# Altium PCB S6D01D4NucleoExtensionBoard1_values.PcbDoc (continued)
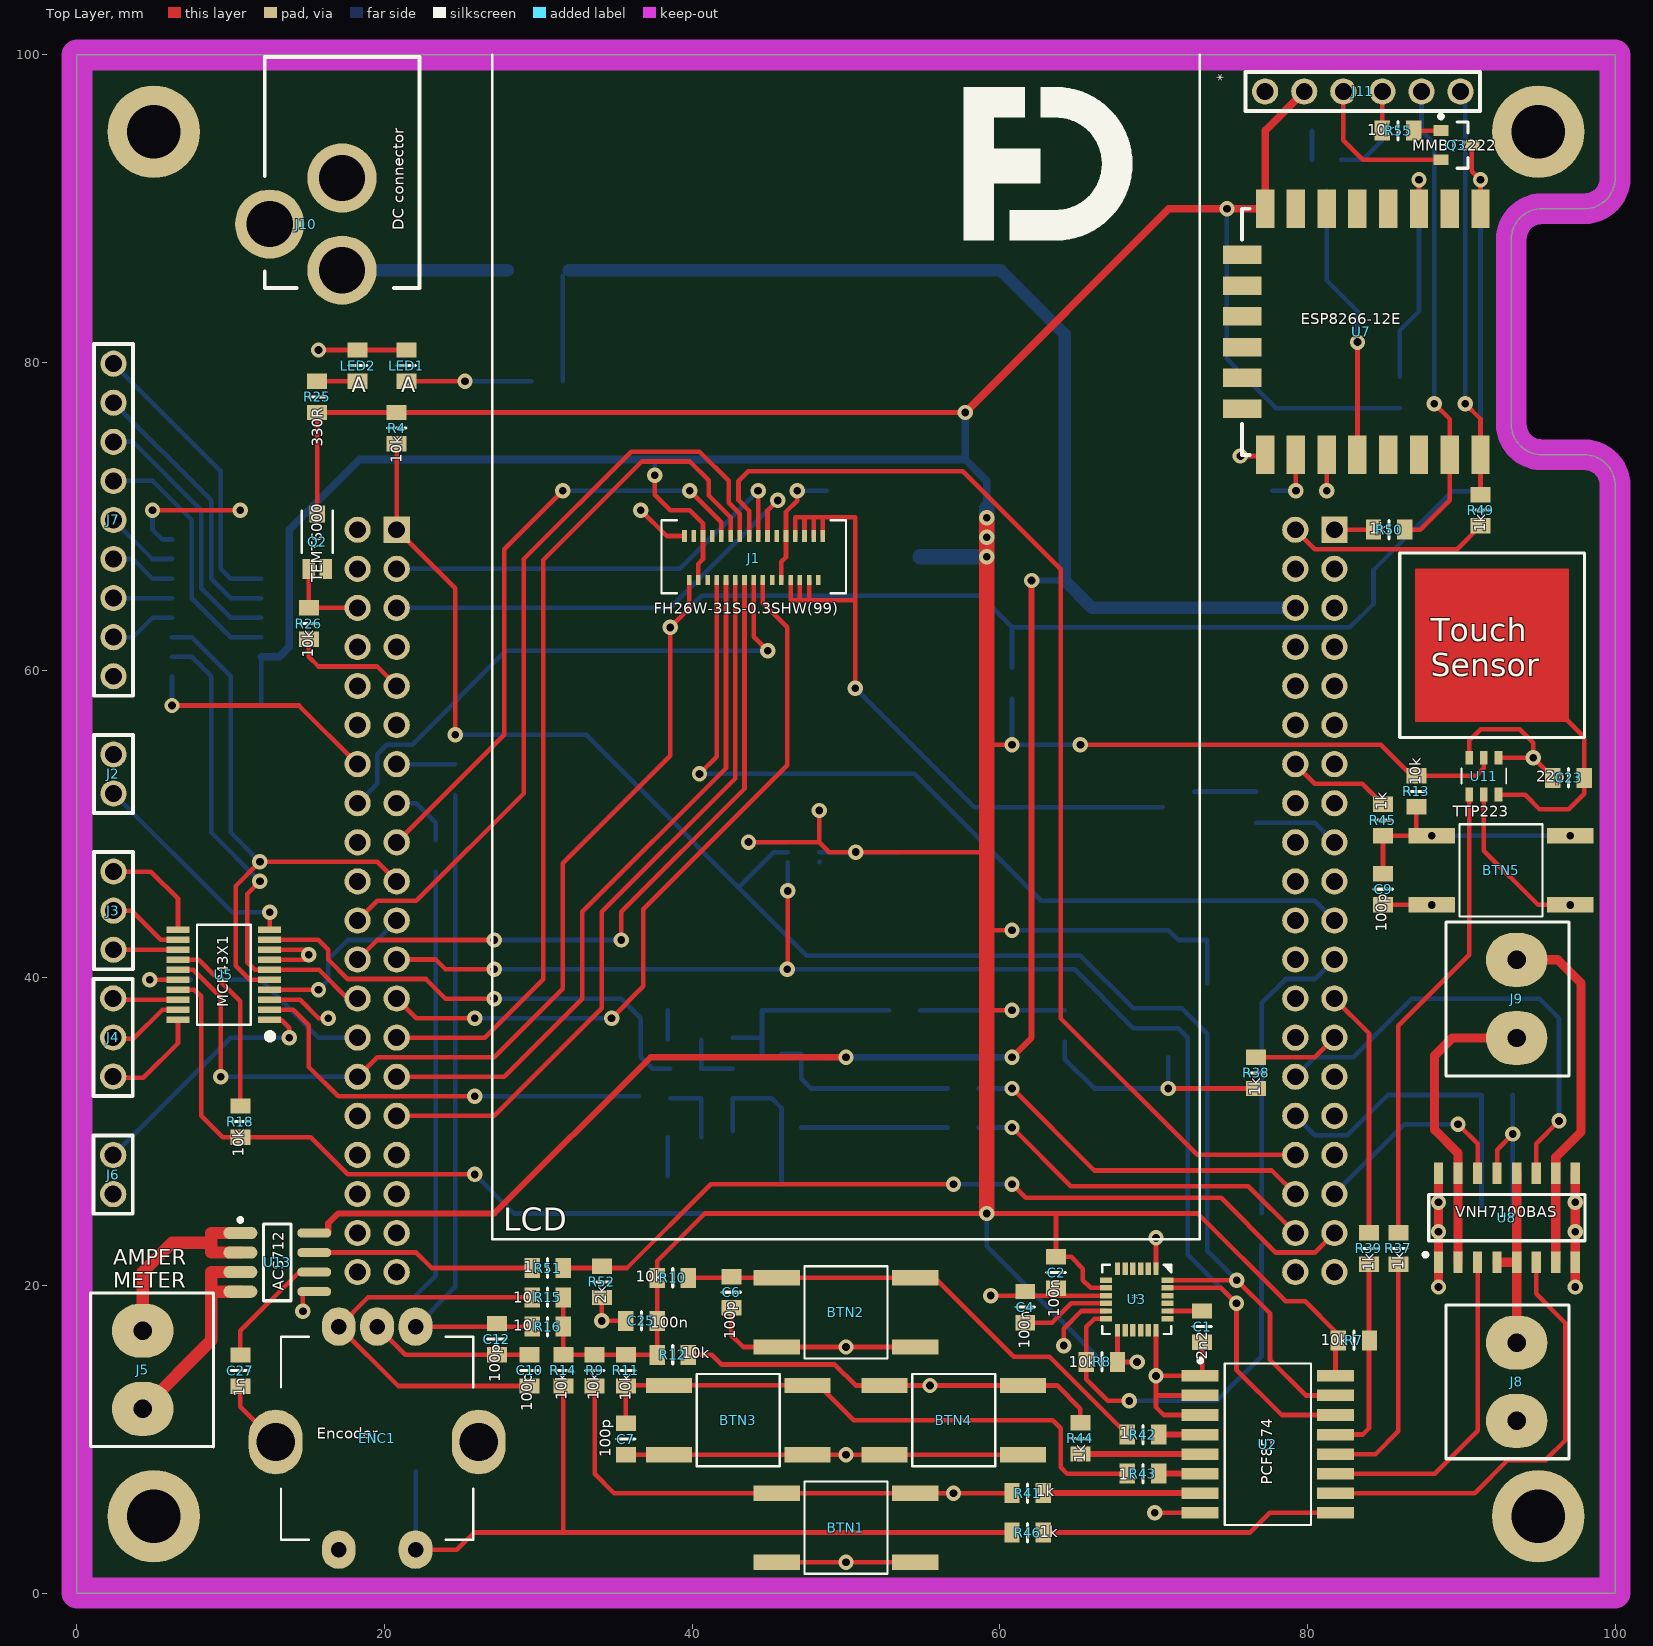
[diagram p0: Top Layer view]
## Footprints (in the part's own frame and the unit in brackets; to place one, negate y for a bottom-side part, rotate by r counter-clockwise, add the part's x,y. Pads: shape width x height; smd on the part's side, far side on the other; paste and mask are expansions set on the pad) (continued)
SMA [mm] "SMA DO-214AC diode"
  rect 1.8x1.8 smd: 1(-2.1,0) 2(2.1,0)
  silkscreen extent -3.4,-1.5 3.4,1.5, body extent -2.6,-1.3 2.6,1.3, height 2.42
SO8#1 [mm] "SOIC, 8-Leads, Body 4.9x3.9mm, Pitch 1.27mm, IPC Medium Density"
  oval 2.2x0.6 smd: 1(0,0) 2(0,-1.27) 3(0,-2.54) 4(0,-3.81) 5(4.8,-3.81) 6(4.8,-2.54) 7(4.8,-1.27) 8(4.8,0)
  silkscreen extent -0.12,-4.41 3.3,0.98, body extent -0.6,-4.35 5.4,0.55, height 1.7
SO8#2 [mm] "SOIC, 8-Leads, Body 4.9x3.9mm, Pitch 1.27mm, IPC Medium Density"
  oval 2.2x0.8 smd: 1(0,0) 2(0,-1.27) 3(0,-2.54) 4(0,-3.81)
  oval 2.2x0.6 smd: 5(4.8,-3.81) 6(4.8,-2.54) 7(4.8,-1.27) 8(4.8,0)
  silkscreen extent -0.12,-4.41 3.3,0.97, body extent -0.6,-4.35 5.4,0.55, height 1.7
SO16N [mm]
  rect 1.4x0.6 smd: 1(-2.9,4.445) 2(-2.9,3.175) 3(-2.9,1.905) 4(-2.9,0.635) 5(-2.9,-0.635) 6(-2.9,-1.905) 7(-2.9,-3.175) 8(-2.9,-4.445) 9(2.9,-4.445) 10(2.9,-3.175) 11(2.9,-1.905) 12(2.9,-0.635) 13(2.9,0.635) 14(2.9,1.905) 15(2.9,3.175) 16(2.9,4.445)
  silkscreen extent -2.52,-5.08 1.5,5.42, body extent -3.07,-4.98 3.07,4.99, height 1.75
SO16W [mm]
  rect 2.4x0.75 smd: 1(-4.4,4.445) 2(-4.4,3.175) 3(-4.4,1.905) 4(-4.4,0.635) 5(-4.4,-0.635) 6(-4.4,-1.905) 7(-4.4,-3.175) 8(-4.4,-4.445) 9(4.4,-4.445) 10(4.4,-3.175) 11(4.4,-1.905) 12(4.4,-0.635) 13(4.4,0.635) 14(4.4,1.905) 15(4.4,3.175) 16(4.4,4.445)
  silkscreen extent -4.52,-5.25 2.8,5.57, body extent -5.15,-5.1 5.15,5.1, height 3.5
SOD-232F [mm] "SOD-323F packed diode"
  rect 0.6x0.5 smd: 1(-1.1,0) 2(1.1,0)
  silkscreen extent -1.75,-0.75 1.75,0.75, body extent -1.25,-0.68 1.25,0.67, height 1
SOT23 [mm]
  rect 0.7x1 smd: 1(-0.95,-1) 2(0.95,-1) 3(0,1)
  silkscreen extent -1.99,-1.13 1.5,0.75, body extent -1.5,-1.25 1.5,1.25, height 1.09
SOT223 [mm]
  rect 1x2.3 smd: 1(-2.3,-2.9) 2(0,-2.9) 3(2.3,-2.9)
  rect 4x3 smd: 2(0,2.9)
  silkscreen extent -3.35,-1.6 3.35,1.9, body extent -3.25,-3.4 3.25,3.6, height 1.64
SOT-23-6L [mm]
  rect 0.5x0.9 smd: 1(-0.95,-1.2) 2(0,-1.2) 3(0.95,-1.2) 4(0.95,1.2) 5(0,1.2) 6(-0.95,1.2)
  silkscreen extent -1.45,-0.5 1.45,0.5, body extent -1.45,-1.4 1.45,1.4, height 1.45
STM32F4xx_Nucleo [mm] "STM32F4xx Nucleo board"
  round 1.7 hole 1.1: 0(-31.75,-24.13) 0(-29.21,-24.13) 0(29.21,-24.13) 0(31.75,-24.13) 2(-29.21,24.13) 3(-31.75,21.59) 4(-29.21,21.59) 5(-31.75,19.05) 6(-29.21,19.05) 7(-31.75,16.51) 8(-29.21,16.51) 9(-31.75,13.97) 10(-29.21,13.97) 11(-31.75,11.43) 12(-29.21,11.43) 13(-31.75,8.89) 14(-29.21,8.89) 15(-31.75,6.35) 16(-29.21,6.35) 17(-31.75,3.81) 18(-29.21,3.81) 19(-31.75,1.27) 20(-29.21,1.27) 21(-31.75,-1.27) 22(-29.21,-1.27) 23(-31.75,-3.81) 24(-29.21,-3.81) 25(-31.75,-6.35) 26(-29.21,-6.35) 27(-31.75,-8.89) 28(-29.21,-8.89) 29(-31.75,-11.43) 30(-29.21,-11.43) 31(-31.75,-13.97) 32(-29.21,-13.97) 33(-31.75,-16.51) 34(-29.21,-16.51) 35(-31.75,-19.05) 36(-29.21,-19.05) 37(-31.75,-21.59) 38(-29.21,-21.59) 40(31.75,24.13) 41(29.21,21.59) 42(31.75,21.59) 43(29.21,19.05) 44(31.75,19.05) 45(29.21,16.51) 46(31.75,16.51) 47(29.21,13.97) 48(31.75,13.97) 49(29.21,11.43) 50(31.75,11.43) 51(29.21,8.89) 52(31.75,8.89) 53(29.21,6.35) 54(31.75,6.35) 55(29.21,3.81) 56(31.75,3.81) 57(29.21,1.27) 58(31.75,1.27) 59(29.21,-1.27) 60(31.75,-1.27) 61(29.21,-3.81) 62(31.75,-3.81) 63(29.21,-6.35) 64(31.75,-6.35) 65(29.21,-8.89) 66(31.75,-8.89) 67(29.21,-11.43) 68(31.75,-11.43) 69(29.21,-13.97) 70(31.75,-13.97) 71(29.21,-16.51) 72(31.75,-16.51) 73(29.21,-19.05) 74(31.75,-19.05) 75(29.21,-21.59) 76(31.75,-21.59)
  rect 1.7x1.7 hole 1.1: 1(-31.75,24.13) 39(29.21,24.13)
  silkscreen extent -32.98,-25.52 32.98,25.53, body extent -32.98,-25.52 32.98,25.53, height 8.5
TEMT600 [mm] "Ambient Light Sensor"
  rect 1.1x1 smd: 1(0,0)
  rect 1.3x0.8 smd: 2(3.55,-0.55) ""(3.55,0.55)
  silkscreen extent -0.23,-1 2.5,1, body extent -0.22,-1 3.77,1, height 1.01
TSSOP20 [mm]
  rect 1.5x0.4 smd: 1(-2.979,2.925) 2(-2.979,2.275) 3(-2.979,1.625) 4(-2.979,0.975) 5(-2.979,0.325) 6(-2.979,-0.325) 7(-2.979,-0.975) 8(-2.979,-1.625) 9(-2.979,-2.275) 10(-2.979,-2.925) 11(2.979,-2.925) 12(2.979,-2.275) 13(2.979,-1.625) 14(2.979,-0.975) 15(2.979,-0.325) 16(2.979,0.325) 17(2.979,0.975) 18(2.979,1.625) 19(2.979,2.275) 20(2.979,2.925)
  silkscreen extent -3.2,-3.25 1.75,4.2, body extent -3.16,-3.35 3.12,3.15, height 1.09

## Part data
BTN1 BTN2 BTN3 BTN4 BTN5: library part PUSHBUTTON, "Tactile push button"
C1 C2 C3 C4 C5 C6 C7 C8 C9 C10 C11 C12 C13 C17 C18 C20 C21 C23 C25 C26 C27: library part CAP, "NON POLARIZED CAPACITOR"
C14 C15 C16 C19 C22 C24: library part CAP_POL, "POLARIZED CAPACITOR"
D1: library part "SUPRESSOR DIODE", "SUPRESSOR DIODE"
D2 D3 D4 D5: library part ZENER, "Zener Diode"
ENC1: library part PEC11, "Mechanical rotary encoder with pushbutton"
F1: library part FUSE, "FUSE"
J1: "Hirose FH26 0.3mm Pitch 31 Way Right Angle SMT Female FPC Connector, ZIF Bottom Contact"
J2 J5 J6 J8 J9: library part HEADER2, "2 PIN HEADER"
J3 J4: library part HEADER3, "3 PIN HEADER"
J7: library part HEADER9, "9 PIN HEADER"
J10: library part "DC POWER CONN", "DC POWER CONNECTOR 5.5/2.1/9.5mm"
J11: library part HEADER6, "6 PIN HEADER"
LED1 LED2: library part LED, "LED"
Q1: "N-Channel MOSFET"
Q2: "Light sensor"
Q3 Q4: "NPN transistor, SO23"
R1 R2 R3 R4 R5 R6 R7 R8 R9 R10 R11 R12 R13 R14 R15 R16 R17 R18 R19 R20 R21 R22 R23 R24 R25 R26 R27 R28 R29 R30 R31 R32 R33 R34 R35 R36 R37 R38 R39 R40 R41 R42 R43 R44 R45 R46 R47 R48 R49 R50 R51 R52 R53 R54 R55 R56 R57: library part RES, "RESISTOR"
U1: "Temperature sensor with I2C interface"
U2: "I/O expander I2C bus"
U3: library part MPU6050, "6 axis gyroscope and accelerometer sensor"
U4: "STM32F4xx Nucleo board"
U5: "SPI INTERFACE QUAD DIGITAL POTENTIOMETERS"
U6: "8 BIT SHIFT REGISTER"
U7: "WiFi module"
U8: "Automotive fully integrated H-bridge motor driver"
U9: library part LM2937, "SOT223"
U10: "OPAMP, SO8"
U11: "1 KEY TOUCH PAD DETECTOR IC"
U12: "BME280 Environmental sensor"
U13: "Current sensor IC"

## Free pads (board coordinates)
  round 6 hole 3.5: ""(5,95) ""(5,5) ""(95,5) ""(95,95)

## Via types
v1: diameter 1, hole 0.5, Top Layer to Bottom Layer, 95 vias

## Nets (pads, with @x,y where several pads share a name; then routed paths per layer and width w, separated by ;. In a path a pad name is that pad's centre, name@x,y a point inside that pad or via, vN(x,y) a via of type N, cw(c..) or ccw(c..) an arc to the next point about the centre after c; other vN are vias at no path point)
+3.3V: C2.1 C3.1 C19.1 C20.2 C21.2 C22.1 C24.1 C25.2 C26.2 J1.27 J1.28 J11.2 Q2.1 R2.1 R4.2 R5.2 R6.2 R7.2 R8.2 R9.2 R10.2 R11.2 R12.2 R13.2 R14.2 R15.2 R16.2 R18.2 R19.1 R20.2 R25.2 R35.2 R36.2 R53.2 R54.2 U1.8 U2.16 U3.8 U3.13 U5.17 U6.15 U6.16 U7.8 U9.3 U11.5 U12.2 U12.6 U12.8 | length 481.9
  Top Layer w0.3: U5.17 7.642,39.225 8.077,38.79 8.077,31.043 9.487,29.633 R18.2 15.202,29.633 17.615,27.22 v1(25.87,27.22) ; Q2.1 R25.2 R4.2 v1(57.743,76.75) ; R15.2@31.623,19.503 R14.2 R9.2 R11.2 R12.2 37.719,21.59 40.809,24.68 v1(59.144,24.68) 63.653,24.68 ; v1(37.575,72.665) 37.575,71.395 38.57,70.4 39.84,70.4 40.7,69.54 J1.27 40.7,67.2 40.4,66.9 J1.28 ; v1(43.665,48.825) 48.255,48.825 ; v1(48.255,50.875) 48.255,48.825 ; 59.144,37.888 v1(60.795,37.888) ; 59.144,43.095 v1(60.795,43.095) ; 59.144,48.175 48.905,48.175 48.255,48.825 ; 59.144,55.16 v1(60.795,55.16) ; v1(65.24,55.16) 84.758,55.16 86.776,53.142 R13.2 90.986,53.142 91.464,53.62 U11.5 ; U3.8 65.903,19.842 65.403,20.342 65.403,21.092 64.637,21.858 C2.1 63.653,24.68 ; U3.13 R8.2 v1(68.923,15.028) ; U2.16 81.825,16.985 79.845,18.965 78.575,18.965 72.86,24.68 63.653,24.68
  Top Layer w0.5: v1(57.743,76.75) 70.993,90 v1(74.765,90) U7.8 77.25,95.08 J11.2
  Top Layer w1: v1(59.144,24.68) 59.144,37.888 59.144,55.16 v1(59.144,69.906)
  Bottom Layer w0.3: C20.2 U6.15 ; v1(25.87,27.22) 28.41,24.68 v1(59.144,24.68) 59.144,22.542 66.658,15.028 v1(68.923,15.028) ; v1(37.575,72.665) 37.575,73.702 ; v1(43.665,48.825) U12.2 ; U12.6 C26.2 ; U12.8 v1(48.255,50.875) ; R35.2 R6.2 ; v1(60.795,43.095) 70.955,43.095 71.59,42.46 C3.1 U1.8 ; R53.2 v1(60.795,55.16) v1(65.24,55.16) ; v1(74.765,90) 74.765,80.235 77.968,77.032 R19.1
  Bottom Layer w0.5: U6.15 13.17,60.875 13.805,61.51 13.805,69.13 18.377,73.702 37.575,73.702 R2.1 57.743,73.702 ; v1(57.743,76.75) 57.743,73.702 ; U9.3 59.144,72.301 57.743,73.702
  Bottom Layer w1: C24.1 v1(59.144,67.366) U9.3
  other v1: 50.635,48.175 59.144,68.636
+5V: C14.1 C15.1 C16.1 C17.2 C18.2 D1.2 F1.2 R24.2 U4.6 U9.1 U10.8 U13.8 | length 157.2
  Top Layer w0.4: U13.8@16.345,23.41 16.345,24.045 16.98,24.68 27.14,24.68 37.3,34.84 v1(50,34.84) ; v1(60.795,34.84) 62.065,36.11 v1(62.065,65.828)
  Bottom Layer w0.3: R24.2 F1.2@31.585,85.64
  Bottom Layer w0.4: U10.8@48.577,34.84 v1(50,34.84) v1(60.795,34.84) ; v1(62.065,65.828) 64.224,65.828
  Bottom Layer w0.8: F1.2 60.054,86 64.224,81.83 64.224,65.828 66.002,64.05 U4.6
AD1: R33.2 U4.36 | length 23.4
  Top Layer w0.3: v1(60.795,32.808) 66.129,27.474 77.686,27.474 U4.36
  Bottom Layer w0.3: R33.2 v1(60.795,32.808)
AD2: R34.2 U4.38 | length 23.4
  Top Layer w0.3: v1(60.795,30.268) 64.605,26.458 76.162,26.458 U4.38
  Bottom Layer w0.3: R34.2 v1(60.795,30.268)
BL: R1.1 U4.17 | length 5.6
  Bottom Layer w0.3: R1.1 80.48,50.08 U4.17
C_SENSOR: R51.1 R52.2 U4.37 | length 54.8
  Top Layer w0.3: R51.1 35.761,21.135 41.211,26.585 v1(56.985,26.585) ; v1(60.795,26.585) 61.684,25.696 74.384,25.696 77.94,22.14 80.48,22.14 U4.37
  Bottom Layer w0.3: v1(56.985,26.585) v1(60.795,26.585)
CD: J1.16 U4.54 | length 36.9
  Top Layer w0.3: J1.16 44,62.176 v1(44.92,61.256)
  Bottom Layer w0.3: U4.54 19.52,52.62 19.52,54.525 20.155,55.16 21.792,55.16 27.888,61.256 v1(44.92,61.256)
CS: J1.13 U4.43 | length 30.2
  Top Layer w0.3: J1.13 44.9,70.38 v1(45.555,71.035)
  Bottom Layer w0.3: U4.43 38.57,64.05 v1(45.555,71.035)
DB0: J1.17 U4.34 | length 75.8
  Top Layer w0.3: J1.17 43.7,70.35 43.015,71.035 43.015,72.305 43.65,72.94 57.594,72.94 63.97,66.564 63.97,37.354 72.834,28.49 U4.34
DB1: J1.18 U4.62 | length 44.4
  Top Layer w0.3: U4.62 19.52,42.46 v1(27.14,42.46) ; v1(35.395,42.46) 35.395,44.285 43.4,52.29 J1.18
  Bottom Layer w0.3: v1(27.14,42.46) v1(35.395,42.46)
DB2: J1.19 U4.60 | length 50.3
  Top Layer w0.3: U4.60 19.52,45 22.06,45 29.045,51.985 29.045,67.225 36.03,74.21 40.475,74.21 42.38,72.305 42.38,70.887 43.1,70.166 J1.19
DB3: J1.20 U4.69 | length 47.7
  Top Layer w0.3: U4.69 27.14,31.03 34.125,38.015 34.125,44.285 42.8,52.96 J1.20
DB4: J1.21 U4.65 | length 56.5
  Top Layer w0.3: U4.65 26.505,36.11 30.315,39.92 30.315,67.16 36.724,73.569 39.846,73.569 41.07,72.345 41.07,71.355 42.5,69.925 J1.21
DB5: J1.22 U4.67 | length 45.2
  Top Layer w0.3: U4.67 27.775,33.57 32.855,38.65 32.855,44.285 42.2,53.63 J1.22
DB6: J1.23 U4.55 | length 39.4
  Top Layer w0.3: U4.55 27.775,55.795 27.775,67.86 v1(31.585,71.67) ; v1@39.848,71.678 41.9,69.625 J1.23
  Bottom Layer w0.3: v1(31.585,71.67) v1(39.84,71.67)
DB7: J1.24 U4.21 | length 58.3
  Top Layer w0.3: v1(40.475,53.255) 41.6,54.38 J1.24
  Bottom Layer w0.3: v1(40.475,53.255) 54.445,53.255 62.7,45 80.48,45 U4.21
DOWN: R41.1 U2.7 | length 10.2
  Top Layer w0.4: R41.1 U2.7
ENC_A: R47.1 U4.51 | length 3.8
  Bottom Layer w0.3: U4.51 R47.1
ENC_B: R48.1 U4.53 | length 4.2
  Bottom Layer w0.3: U4.53 22.06,51.35 23.33,50.08 R48.1
ENC_SW: R46.1 U2.9 | length 19.5
  Top Layer w0.3: R46.1 76.247,3.937 77.54,5.23 U2.9
GND: BTN1.1 BTN1.2 BTN2.1 BTN2.2 BTN3.1 BTN3.2 BTN4.1 BTN4.2 BTN5.1 BTN5.2 C1.2 C2.2 C3.2 C4.2 C5.1 C6.1 C7.1 C8.1 C9.1 C10.1 C11.1 C12.2 C13.1 C14.2 C15.2 C16.2 C17.1 C18.1 C19.2 C20.1 C21.1 C22.2 C23.2 C24.2 C25.1 C26.1 C27.1 D1.1 D4.2 D5.2 ENC1.2 ENC1.4 ENC1.6 ENC1.7 J1.31 J2.1 J6.1 J7.9 J8.2 J10.2 J10.3 J11.1 LED1.2 LED2.2 pad.@5,5 pad.@5,95 pad.@95,5 Q1.2 R3.1 R21.2 R23.2 R26.2 R27.1 R28.1 R52.1 U1.4 U1.5 U1.6 U1.7 U2.1 U2.2 U2.3 U2.8 U3.1 U3.9 U3.11 U3.18 U4.8 U4.19 U4.20 U4.22 U4.47 U4.58 U4.70 U5.3 U5.7 U5.8 U6.8 U7.15 U8.1 U8.8 U8.9 U8.16 U9.2 U10.4 U11.2 U11.4 U11.6 U12.1 U12.5 U12.7 U13.5 | length 177.5
  Top Layer w0.3: v1(4.915,70.4) v1(10.63,70.4) ; C27.1 10.63,12.115 ENC1.7 ; U5.3 14.515,38.575 15.71,37.38 v1(16.345,37.38) ; U5.7 v1@15.075,41.175 ; U5.8 v1@15.075,41.825 ; v1(14.694,18.33) U13.5@14.694,19.6 ; R26.2 15.075,60.875 15.71,60.24 19.52,60.24 U4.47 ; v1(15.71,80.814) LED2.2 LED1.2 ; ENC1.2 21.351,15.494 C10.1 ; R52.1 v1(34.125,17.695) C25.1 ; C7.1 BTN3.1 BTN4.2 ; v1(36.665,70.4) 38.34,68.725 J1.31 ; C6.1 42.545,16.764 43.309,16 BTN2.1 v1(50,16) BTN2.2 ; BTN1.1 BTN1.2 ; v1(59.403,19.342) U3.9 ; v1(64.153,16.092) 64.153,17.193 65.302,18.342 U3.11 ; v1(70.066,5.23) U2.8 ; U3.18 v1(70.153,14.12) ; U3.1 v1(70.153,23.092) ; U2.3 70.665,11.58 70.153,12.092 70.153,12.85 ; U2.2 70.153,12.85 ; U2.1 v1(70.153,14.12) ; U2.1@73.153,14.092 C1.2 ; v1(75.641,73.927) U7.15@77.25,73.927 ; C9.1 v1(88.083,44.74) ; U11.6 90.514,55.426 91.258,56.17 93.798,56.17 94.687,55.281 v1(94.687,54.308) ; U11.2 91.464,48.261 94.985,44.74 v1(97.083,44.74) ; U11.4 v1(94.687,54.308) ; C23.2 95.957,53.038 v1(94.687,54.308) ; 70.153,12.85 v1(70.153,14.12)
  Top Layer w0.6: v1(88.519,19.904) U8.16 ; v1(97.409,19.904) U8.9
  Bottom Layer w0.3: v1(4.915,70.4) 4.915,69.13 5.55,68.495 U6.8 ; U12.5 U12.5@48.285,47.555
  other v1: 50,2 50,9 88.519,23.495 97.409,23.495 88.519,25.4 97.409,25.4 15.075,41.508
HB_CS: C13.2 R22.2 U4.32 | length 21
  Bottom Layer w0.3: U4.32 80.48,29.76 82.59,29.76 85.215,32.385 R22.2 C13.2
HB_INA: U2.11 U8.3 | length 21.3
  Top Layer w0.3: U2.11 88.267,7.77 91.059,10.562 U8.3
HB_INB: U2.10 U8.6 | length 28.7
  Top Layer w0.3: U2.10 90.88,6.5 93.037,8.657 95.504,8.657 96.774,9.927 96.774,17.547 94.869,19.452 U8.6
HB_PWM: U4.30 U8.11 | length 30.5
  Top Layer w0.3: U8.11 94.869,29.21 v1(96.355,30.696)
  Bottom Layer w0.3: U4.30 80.48,34.84 82.973,34.84 86.783,38.65 95.085,38.65 96.355,37.38 v1(96.355,30.696)
HB_SEL0: U4.35 U8.14 | length 13.6
  Top Layer w0.3: v1(89.789,30.48) 91.059,29.21 U8.14
  Bottom Layer w0.3: U4.35 86.28,30.48 v1(89.789,30.48)
INT_AG: R40.1 U4.23 | length 19.6
  Bottom Layer w0.3: R40.1 77.035,24.691 77.035,38.38 78.575,39.92 80.48,39.92 U4.23
INT_OS: R38.1 U4.27 | length 5.6
  Top Layer w0.3: R38.1 80.48,34.84 U4.27
INT_PE: R39.1 U4.25 | length 16.2
  Top Layer w0.3: U4.25 84,36.4 R39.1
L_SENSOR: Q2.2 R26.1 U4.44 | length 5.7
  Top Layer w0.3: Q2.2 R26.1 U4.44
LEFT: R43.1 U2.6 | length 2.7
  Top Layer w0.4: R43.1 U2.6
NetBTN1_3: BTN1.3 BTN1.4 C5.2 R9.1 R41.2 | length 35
  Top Layer w0.3: R9.1 33.655,7.765 34.92,6.5 BTN1.4 BTN1.3 56.769,6.5 R41.2
  Bottom Layer w0.3: C5.2 v1(56.985,6.5)
NetBTN2_3: BTN2.3 BTN2.4 C6.2 R10.1 R42.2 | length 32.8
  Top Layer w0.3: R10.1 BTN2.4 55.78,20.5 60.913,15.367 63.231,15.367 R42.2
NetBTN3_3: BTN3.3 BTN3.4 C7.2 R11.1 R43.2 | length 39.2
  Top Layer w0.3: R11.1@35.433,13.516 48.234,13.516 50.5,11.25 63.43,11.25 63.97,10.71 63.97,8.17 64.37,7.77 R43.2 ; C7.2 R11.1
NetBTN4_3: BTN4.3 BTN4.4 C8.2 R12.1 R44.2 | length 29.8
  Top Layer w0.3: R12.1 41.275,15.494 41.91,14.859 49.276,14.859 50.635,13.5 BTN4.4 v1(55.461,13.5) BTN4.3 63.72,13.5 65.24,11.98 R44.2
  Bottom Layer w0.3: v1(55.461,13.5) C8.2
NetBTN5_3: BTN5.3 BTN5.4 C9.2 R13.1 R45.2 | length 16.4
  Top Layer w0.3: C9.2 84.908,46.789 R45.2 v1(88.083,49.24) ; BTN5.4@87.084,49.332 R13.1
  Bottom Layer w0.3: v1(88.083,49.24) v1(97.083,49.24)
NetC1_1: C1.1 U3.20 | length 2.2
  Top Layer w0.3: U3.20 C1.1
NetC4_1: C4.1 U3.10 | length 5.8
  Top Layer w0.3: C4.1 63.403,17.576 ; 63.403,17.592 64.653,18.842 U3.10
NetC10_2: C10.2 ENC1.3 R15.1 R48.2 | length 61.3
  Top Layer w0.3: C10.2 20.883,13.462 ENC1.3 18.925,19.23 R15.1
  Bottom Layer w0.3: ENC1.3 18.925,19.23 21.915,19.23 23.33,20.645 R48.2
NetC11_2: C11.2 ENC1.5 R14.1 R46.2 | length 53.8
  Top Layer w0.3: ENC1.5 24.705,2.825 25.817,3.937 31.623,3.937 ; R14.1 31.623,3.937 ; R46.2 31.623,3.937
  Bottom Layer w0.3: ENC1.5 C11.2
NetC12_1: C12.1 ENC1.1 R16.1 R47.2 | length 43
  Top Layer w0.3: ENC1.1 R16.1@29.39,17.325
  Bottom Layer w0.3: ENC1.1 24.6,19.905 R47.2
NetC23_1: C23.1 U11.3 | length 12.9
  Top Layer w0.3: U11.3 94.146,51.908 95.085,50.969 96.99,50.969 97.989,51.968 C23.1 97.989,55.631 96,57.62
NetC27_2: C27.2 U13.6 | length 8
  Top Layer w0.3: C27.2 10.63,17.06 14.44,20.87 U13.6
NetD2_1: D2.1 D4.1 | length 1.9
  Bottom Layer w0.3: D2.1 D4.1
NetD2_2: D2.2 R29.1 R31.2 | length 3.9
  Bottom Layer w0.3: D2.2 R29.1 R31.2
NetD3_1: D3.1 D5.1 | length 2.5
  Bottom Layer w0.3: D5.1 D3.1
NetD3_2: D3.2 R30.1 R32.2 | length 4.6
  Bottom Layer w0.3: R30.1 R32.2 D3.2
NetF1_1: F1.1 J10.1 | length 10.8
  Bottom Layer w0.8: J10.1 F1.1
NetJ1_1: J1.1 J1.3 J1.4 J1.5 J1.6 J1.7 J1.8 Q1.3 | length 51.2
  Top Layer w0.3: J1.8 46.4,64.54 47,64.54 ; J1.7 46.7,69.94 47.3,69.94 ; J1.6 47,64.54 ; J1.5 47.3,69.94 ; J1.4 47.6,64.54 ; J1.3 47.9,69.94 ; J1.1 48.5,69.94 ; v1(50.6,58.825) 50.6,64.54 ; 47,64.54 47.6,64.54 ; 47.3,69.94 47.9,69.94 ; 47.6,64.54 50.6,64.54 ; 47.9,69.94 48.5,69.94 ; 48.5,69.94 50.6,69.94 50.6,64.54
  Bottom Layer w0.3: v1(50.6,58.825) 58.329,51.096 Q1.3
NetJ1_9: J1.9 J1.10 R2.2 | length 8.1
  Top Layer w0.3: J1.10 45.8,67.04 46.1,67.34 J1.9 46.1,70.302 46.825,71.027 v1(46.825,71.67)
  Bottom Layer w0.3: v1(46.825,71.67) R2.2
NetJ2_2: J2.2 U5.10 | length 14.5
  Top Layer w0.3: U5.10 v1(12.535,44.26)
  Bottom Layer w0.3: J2.2 10.1,44.26 v1(12.535,44.26)
NetJ3_1: J3.1 U5.11 | length 6.9
  Top Layer w0.3: J3.1 4.81,46.905 6.577,45.138 U5.11
NetJ3_2: J3.2 U5.12 | length 5
  Top Layer w0.3: J3.2 3.56,44.365 5.45,42.475 U5.12
NetJ3_3: J3.3 U5.13 | length 4.2
  Top Layer w0.3: J3.3 U5.13
NetJ4_1: J4.1 U5.20 | length 6.7
  Top Layer w0.3: J4.1@2.375,33.495 4.31,33.495 6.577,35.762 U5.20
NetJ4_2: J4.2 U5.19 | length 5
  Top Layer w0.3: J4.2@2.375,36.035 3.675,36.035 5.565,37.925 U5.19
NetJ4_3: J4.3 U5.18 | length 4.2
  Top Layer w0.3: J4.3@2.375,38.575 U5.18
NetJ5_1: J5.1 U13.3 U13.4 | length 14.5
  Top Layer w0.8: J5.1 8.725,16.425 8.725,19.6 ; U13.4 8.725,19.6 ; U13.3 8.725,20.87 8.725,19.6
NetJ5_2: J5.2 U13.1 U13.2 | length 14.1
  Top Layer w0.8: J5.2 4.28,20.87 6.185,22.775 8.725,22.775 ; U13.2 8.725,22.14 8.725,22.775 ; U13.1 8.725,23.41 8.725,22.775
NetJ6_2: J6.2 U5.1 | length 16.7
  Top Layer w0.3: U5.1 13.275,37.275 13.805,36.745 v1(13.805,36.11)
  Bottom Layer w0.3: J6.2 9.995,36.11 v1(13.805,36.11)
NetJ7_1: J7.1 U6.11 | length 19.1
  Bottom Layer w0.3: J7.1 9.36,72.94 9.36,66.59 9.995,65.955 U6.11
NetJ7_2: J7.2 U6.12 | length 17.8
  Bottom Layer w0.3: J7.2 8.725,71.035 8.725,65.955 9.995,64.685 U6.12
NetJ7_3: J7.3 U6.13 | length 17.3
  Bottom Layer w0.3: J7.3 3.645,74.845 8.09,70.4 8.09,65.32 9.995,63.415 U6.13
NetJ7_4: J7.4 U6.14 | length 16.8
  Bottom Layer w0.3: J7.4 4.915,72.305 7.455,69.765 7.455,64.685 9.995,62.145 U6.14
NetJ7_5: J7.5 U6.7 | length 4.9
  Bottom Layer w0.3: J7.5 4.915,67.225 U6.7
NetJ7_6: J7.6 U6.6 | length 4.3
  Bottom Layer w0.3: J7.6 3.645,67.225 4.915,65.955 U6.6
NetJ7_7: J7.7 U6.5 | length 3.8
  Bottom Layer w0.3: J7.7 U6.5
NetJ7_8: J7.8 U6.4 | length 4.3
  Bottom Layer w0.3: J7.8 3.645,62.145 4.915,63.415 U6.4
NetJ8_1: J8.1 U8.4 U8.5 U8.12 | length 12.3
  Top Layer w0.6: U8.4 U8.5 ; J8.1 U8.12
NetJ9_1: J9.1 U8.7 U8.10 | length 23.6
  Top Layer w0.6: J9.1 96.266,41.169 97.79,39.645 97.79,29.993 96.139,28.342 U8.7
NetJ9_2: J9.2 U8.2 U8.15 | length 19.9
  Top Layer w0.6: U8.2 U8.15 89.789,28.596 88.265,30.12 88.265,34.946 89.408,36.089 J9.2
NetJ11_3: J11.3 Q3.2 R57.2 | length 12.6
  Top Layer w0.3: J11.3 82.33,94.445 83.595,93.18 Q3.2
  Bottom Layer w0.3: R57.2 J11.3
NetJ11_4: J11.4 Q4.2 R55.2 | length 8.9
  Top Layer w0.3: R55.2 J11.4
  Bottom Layer w0.3: Q4.2 83.6,93.175 84.87,94.445 J11.4
NetJ11_5: J11.5 R50.1 U7.21 | length 31.1
  Top Layer w0.3: R50.1 87.338,69.13 89.25,71.042 U7.21 89.25,76.33 v1(88.25,77.33)
  Bottom Layer w0.3: J11.5 87.41,95.08 88.25,94.24 v1(88.25,77.33)
NetJ11_6: J11.6 R49.1 U7.22 | length 26.6
  Top Layer w0.3: v1(90.25,77.33) 91.25,76.33 R49.1
  Bottom Layer w0.3: v1(90.25,77.33) J11.6@90.25,97.62
NetLED1_1: LED1.1 R24.1 | length 8.1
  Top Layer w0.3: LED1.1 v1(25.235,78.782)
  Bottom Layer w0.3: v1(25.235,78.782) R24.1
NetLED2_1: LED2.1 R25.1 | length 2.6
  Top Layer w0.3: R25.1 LED2.1
NetQ1_1: Q1.1 R1.2 R3.2 | length 4
  Bottom Layer w0.3: Q1.1@72.656,52.112 R3.2 R1.2
NetQ3_1: Q3.1 R55.1 | length 1.8
  Top Layer w0.3: R55.1 Q3.1
NetQ3_3: Q3.3 R56.2 U7.1 | length 22.6
  Top Layer w0.3: Q3.3 90.68,92.445 v1(91.25,91.875) U7.1
  Bottom Layer w0.3: R56.2 v1(91.25,91.875)
NetQ4_1: Q4.1 R57.1 | length 1.9
  Bottom Layer w0.3: Q4.1 R57.1
NetQ4_3: Q4.3 R20.1 U7.18 | length 20.3
  Top Layer w0.3: U7.18 v1(83.25,81.33)
  Bottom Layer w0.3: Q4.3@81.25,91.175 81.25,85.33 83.25,83.33 R20.1
NetR6_1: R6.1 R38.2 U1.3 | length 16.4
  Top Layer w0.3: v1(70.955,32.808) R38.2
  Bottom Layer w0.3: R6.1 64.224,34.713 66.129,32.808 v1(70.955,32.808) U1.3
NetR7_1: R7.1 R39.2 U2.13 | length 13
  Top Layer w0.3: U2.13 83.589,10.31 84,10.721 R39.2
NetR8_1: R8.1 R40.2 U3.12 | length 25.4
  Top Layer w0.3: U3.12 66.153,17.842 65.621,17.31 65.621,13.899 67.025,12.495 v1(68.415,12.495)
  Bottom Layer w0.3: v1(68.415,12.495) 74.11,12.495 77.015,15.4 R40.2
NetR17_1: R17.1 U5.16 | length 4.5
  Top Layer w0.3: v1(4.727,39.875) U5.16
  Bottom Layer w0.3: v1(4.727,39.875) R17.1
NetR18_1: R18.1 U5.14 | length 12
  Top Layer w0.3: U5.14 7.927,41.175 10.63,38.472 R18.1
NetR19_2: R19.2 U7.3 | length 15.2
  Top Layer w0.3: U7.3 v1(87.25,91.875)
  Bottom Layer w0.3: R19.2 86,82.08 87.25,83.33 v1(87.25,91.875)
NetR21_1: R21.1 U7.16 | length 3.9
  Top Layer w0.3: v1(79.25,71.67) U7.16
  Bottom Layer w0.3: R21.1 v1(79.25,71.67)
NetR22_1: R22.1 R23.1 U8.13 | length 10.2
  Top Layer w0.3: U8.13 92.329,28.829 v1(93.345,29.845)
  Bottom Layer w0.3: R23.1 v1(93.345,29.845) R22.1
NetR27_2: R27.2 R31.1 R35.1 U10.5 | length 13
  Bottom Layer w0.3: R31.1 U10.5@44.539,36.11 ; U10.5 U10.5@44.539,36.11 ; R35.1 R27.2 U10.5@44.539,36.11
NetR28_2: R28.2 R32.1 R36.1 U10.3 | length 10.6
  Bottom Layer w0.3: R28.2 R32.1 45.174,32.173 45.809,31.538 U10.3 R36.1
NetR29_2: R29.2 U5.9 | length 31.4
  Top Layer w0.3: U5.9 15.695,42.475 16.345,41.825 16.345,41.19 17.615,39.92 22.695,39.92 23.965,38.65 v1(27.14,38.65)
  Bottom Layer w0.3: v1(27.14,38.65) 35.395,38.65 36.665,37.38 36.665,34.84 37.427,34.078 R29.2
NetR30_2: R30.2 U5.2 | length 27.9
  Top Layer w0.3: U5.2 14.077,37.925 15.075,36.928 15.075,34.205 16.98,32.3 v1(25.87,32.3)
  Bottom Layer w0.3: v1(25.87,32.3) R30.2@36.538,32.3
NetR33_1: R33.1 U10.6 U10.7 | length 12.7
  Bottom Layer w0.3: U10.6 U10.7 47.079,33.443 47.714,32.808 R33.1
NetR34_1: R34.1 U10.1 U10.2 | length 9.5
  Bottom Layer w0.3: U10.2 R34.1
NetR37_1: R37.1 U2.12 | length 15.6
  Top Layer w0.3: U2.12 84.42,9.04 85.905,10.525 R37.1
NetR37_2: R37.2 U11.1 | length 30.4
  Top Layer w0.3: R37.2 85.905,36.885 90.514,41.494 U11.1
NetR51_2: R51.2 U13.7 | length 14.6
  Top Layer w0.3: U13.7 22.06,22.14 23.065,21.135 R51.2
NetR54_1: R54.1 U7.17 | length 5.7
  Top Layer w0.3: v1(81.25,71.67) U7.17
  Bottom Layer w0.3: v1(81.25,71.67) R54.1
RD: J1.15 U4.41 | length 28.5
  Top Layer w0.3: J1.15 v1@44.3,71.67
  Bottom Layer w0.3: U4.41 39.205,66.59 v1(44.285,71.67)
RESET: R45.1 U4.14 | length 6.8
  Top Layer w0.3: U4.14 80.48,52.62 83.56,52.62 R45.1
RIGHT: R44.1 U2.5 | length 7.8
  Top Layer w0.4: R44.1 U2.5
RST: J1.30 R53.1 R56.1 U4.68 U5.15 | length 125.2
  Top Layer w0.3: U5.15 7.577,40.525 9.36,38.742 v1(9.36,33.57) ; U4.68 19.52,34.84 27.14,34.84 31.585,39.285 31.585,47.46 38.57,54.445 v1(38.57,62.78) 39.8,64.01 J1.30
  Bottom Layer w0.3: v1(9.36,33.57) U4.68 ; v1(38.57,62.78) 40.616,64.826 58.749,64.826 60.795,62.78 ; R53.1 60.795,62.78 ; R56.1 89.408,71.628 84.29,66.51 84.29,64.304 82.766,62.78 60.795,62.78
RXM: R49.2 U4.2 | length 13.2
  Top Layer w0.3: U4.2 80.48,67.86 89.726,67.86 R49.2
RXS: R50.2 U4.1 | length 2.5
  Top Layer w0.3: U4.1 R50.2
SCL: R5.1 U1.2 U2.14 U3.23 U4.61 U12.4 | length 96
  Top Layer w0.3: U4.61 23.33,41.19 23.965,40.555 v1(27.14,40.555) ; v1@46.205,40.555 v1(46.205,45.65) ; U3.23@70.84,19.854 74.371,19.854 v1(75.383,18.842) 75.383,14.519 78.322,11.58 U2.14
  Bottom Layer w0.3: v1(27.14,40.555) 64.859,40.555 68.682,36.732 71.603,36.732 72.225,36.11 72.225,22 v1(75.383,18.842) ; v1(46.205,45.65) U12.4
  other v1: 46.19,40.555
SDA: R4.1 U1.1 U2.15 U3.24 U4.39 U12.3 | length 114.2
  Top Layer w0.3: R4.1 U4.39 24.6,65.32 v1(24.6,55.795) ; U3.24 v1(75.403,20.342) 77.561,18.183 77.561,15.167 79.878,12.85 U2.15
  Bottom Layer w0.3: v1(24.6,55.795) 33.109,55.795 47.46,41.444 65.24,41.444 68.669,38.015 71.831,38.015 73.495,36.351 U1.1 73.495,22.25 v1(75.403,20.342) ; 43.015,45.889 45.301,48.175 U12.3
SHR_STR: U4.52 U6.1 | length 15.5
  Top Layer w0.3: v1(6.185,57.7) 14.44,57.7 U4.52
  Bottom Layer w0.3: v1(6.185,57.7) U6.1
SPI_CS1: U4.59 U5.4 | length 10.9
  Top Layer w0.3: U5.4 v1(15.71,39.225)
  Bottom Layer w0.3: v1(15.71,39.225) 16.345,39.86 16.345,41.19 17.615,42.46 19.52,42.46 U4.59
SPI_MISO: R17.2 U4.66 | length 10.4
  Bottom Layer w0.3: R17.2 11.945,39.875 15.71,36.11 U4.66
SPI_MOSI: U4.64 U5.6 U6.2 | length 31.5
  Top Layer w0.3: v1(11.9,46.27) 11.077,45.447 11.077,41.025 11.577,40.525 U5.6 15.74,40.525 17.615,38.65 U4.64
  Bottom Layer w0.3: U6.2 7.455,60.875 8.725,59.605 8.725,49.445 v1(11.9,46.27)
SPI_SCK: U4.57 U5.5 U6.3 | length 37.1
  Top Layer w0.3: U5.5 11.227,39.875 10.327,40.775 10.327,45.967 v1(11.9,47.54) 19.52,47.54 U4.57
  Bottom Layer w0.3: U6.3 7.455,62.145 9.995,59.605 9.995,49.445 v1(11.9,47.54)
UP: R42.1 U2.4 | length 2.1
  Top Layer w0.4: R42.1 U2.4@72.39,10.31
WR: J1.14 U4.63 | length 48.4
  Top Layer w0.3: U4.63 22.06,37.38 v1(25.87,37.38) ; v1(34.76,37.38) 36.83,39.45 36.83,44.45 46.19,53.81 46.19,62.78 44.6,64.37 J1.14
  Bottom Layer w0.3: v1(25.87,37.38) v1(34.76,37.38)
pads on no net: J1.2 J1.11 J1.12 J1.25 J1.26 J1.29 Q2. U3.2 U3.3 U3.4 U3.5 U3.6 U3.7 U3.14 U3.15 U3.16 U3.17 U3.19 U3.21 U3.22 U4.0 U4.3 U4.4 U4.5 U4.7 U4.9 U4.10 U4.11 U4.12 U4.13 U4.15 U4.16 U4.18 U4.24 U4.26 U4.28 U4.29 U4.31 U4.33 U4.40 U4.42 U4.45 U4.46 U4.48 U4.49 U4.50 U4.56 U4.71 U4.72 U4.73 U4.74 U4.75 U4.76 U6.9 U6.10 U7.2 U7.4 U7.5 U7.6 U7.7 U7.9 U7.10 U7.11 U7.12 U7.13 U7.14 U7.19 U7.20

## Polygon pours and split planes (outlines as drawn)
GND on Bottom Layer "Bottom Layer-No Net" (solid, remove dead copper, pour order 2): 0,100 100,100 100,0 0,0

## Keep-outs
Keep-Out Layer:
  the board outline again, w2

## Other copper
Top Layer:
  rectangle net NetC23_1: 87,56.62 97,66.62

## Silkscreen, mask and mechanical layers (free items; w line width, h text height)
Top Overlay:
  rectangle: 60.632,87.923 63.632,89.923
  rectangle: 62.632,95.923 63.632,97.923
  rectangle: 58.187,91.653 62.632,93.923
  rectangle: 58.632,95.923 61.632,97.923
  rectangle: 57.632,87.923 59.632,97.923
  lines w0.15: 27,100 27,23 73,23 73,100
  lines w0.2: 86,55.62 98,55.62 98,67.62 86,67.62 86,55.62
  lines w2: 63.632,88.923 ccw(c63.632,92.923) 63.632,96.923
  text "Touch  / Sensor" at 88,59.62 h1.5
  text "LCD" at 27.716,23.556 h1.5
  text "AMPER / METER" at 2.375,19.854 h1
Bottom Overlay:
  region: 65.632,89.923 62.632,89.923 62.632,87.923 65.632,87.923
  region: 63.632,97.923 62.632,97.923 62.632,95.923 63.632,95.923
  region: 68.077,93.923 63.632,93.923 63.632,91.653 68.077,91.653
  region: 67.632,97.923 64.632,97.923 64.632,95.923 67.632,95.923
  region: 68.632,97.923 66.632,97.923 66.632,87.923 68.632,87.923
  lines w2: 62.632,88.923 cw(c62.632,92.923) 62.632,96.923
Top Solder:
  rectangle: 66.428,16.617 71.378,21.567
Mechanical 1:
  circle w0.254: c50,11.25 r7
  lines w0.15: 39.5,23 39.5,100 ; 39.5,67 59.5,67 ; 40.5,57 60.5,57 ; 43,11.25 57,11.25 ; 50,0 50,100 ; 60.5,23 60.5,100 ; 85,23 85,35.7
Mechanical 2:
  the board outline again, w0.15

## Text inside footprints (layer, text, board x,y; h text height)
U4: Bottom Overlay "CN10" at 21.844,70.968 h0.7; Bottom Overlay "CN7" at 82.88,70.79 h0.7